# KiCad board data-center-ddr5-tester.kicad_pcb (continued)
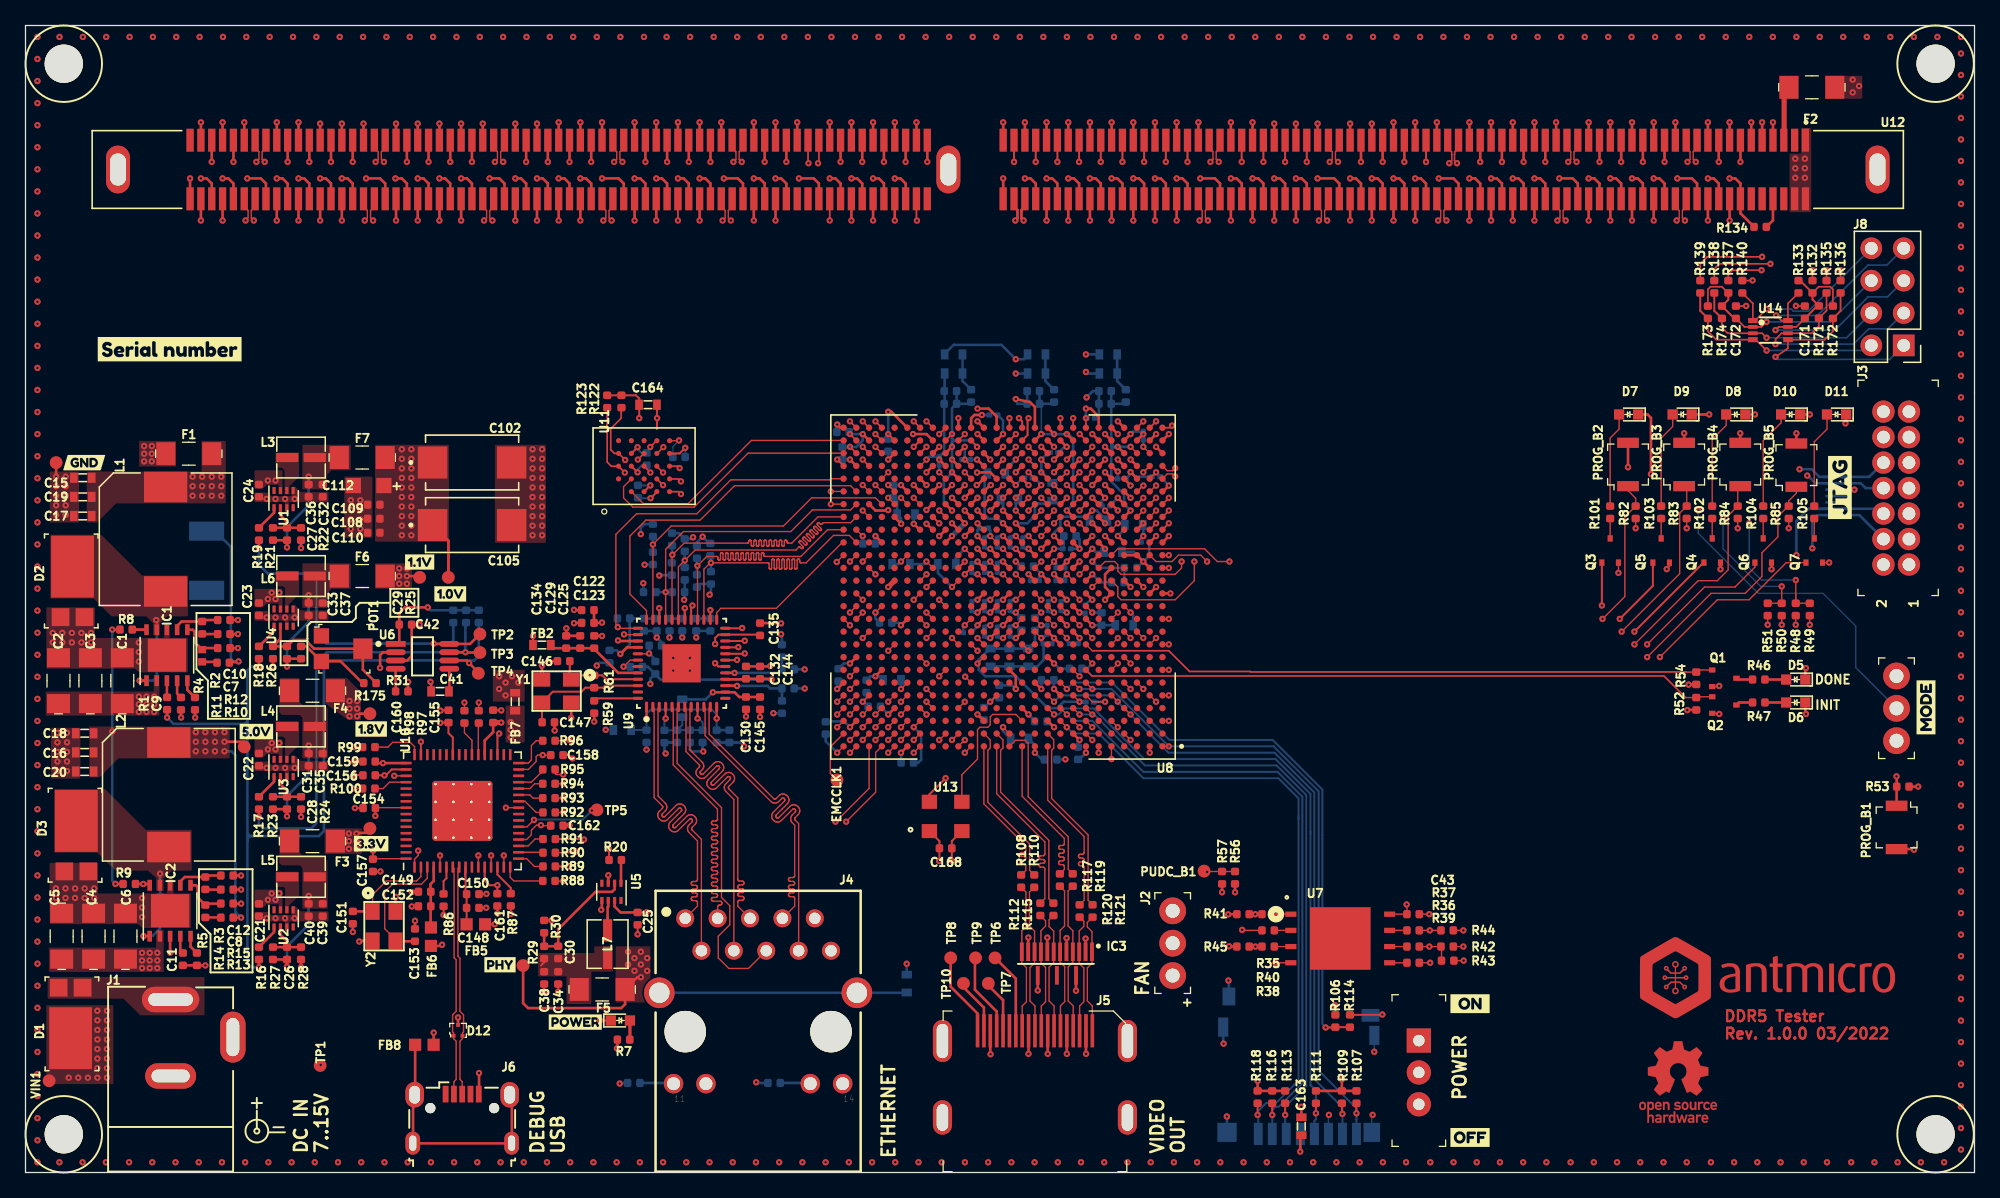
[diagram p0: board, top side]
## Routing (per net, layer and track width the routed paths; a pad name or vN(x,y) marks a point on that pad's centre or on a via; arc(x,y) is an arc through that point) (continued)
CA3_B: length 41.4
  Top w0.2: U12.223 v4(68.15,74.7) ; U8.AF10 v4(80.64,57.94)
  In2.Cu w0.127: v4(68.15,74.7) 68.15,74.35 68.15,74.32 68.14,74.29 68.12,74.27 68.1,74.25 68.08,74.24 68.05,74.23 68.02,74.22 67.88,74.22 67.85,74.22 67.82,74.21 67.8,74.2 67.78,74.18 67.76,74.15 67.75,74.12 67.75,74.1 67.75,74.07 67.76,74.04 67.78,74.02 67.8,74 67.82,73.98 67.85,73.97 67.88,73.97 68.42,73.97 68.45,73.97 68.48,73.96 68.5,73.94 68.52,73.92 68.54,73.9 68.55,73.87 68.55,73.84 68.55,73.81 68.54,73.79 68.52,73.76 68.5,73.74 68.48,73.73 68.45,73.72 68.42,73.72 67.88,73.72 67.85,73.71 67.82,73.7 67.8,73.69 67.78,73.67 67.76,73.64 67.75,73.62 67.75,73.59 67.75,73.56 67.76,73.53 67.78,73.51 67.8,73.49 67.82,73.47 67.85,73.46 67.88,73.46 68.42,73.46 68.45,73.46 68.48,73.45 68.5,73.43 68.52,73.41 68.54,73.39 68.55,73.36 68.55,73.33 68.55,73.31 68.54,73.28 68.52,73.25 68.5,73.23 68.48,73.22 68.45,73.21 68.42,73.21 67.88,73.21 67.85,73.2 67.82,73.19 67.8,73.18 67.78,73.16 67.76,73.14 67.75,73.11 67.75,73.08 67.75,73.05 67.76,73.02 67.78,73 67.8,72.98 67.82,72.97 67.85,72.96 67.88,72.95 68.02,72.95 68.05,72.95 68.08,72.94 68.1,72.93 68.12,72.91 68.14,72.88 68.15,72.85 68.15,72.83 68.15,72.68 68.64,72.19 69.69,72.19 69.72,72.19 69.74,72.18 69.77,72.16 69.79,72.14 69.8,72.12 69.81,72.09 69.82,72.04 69.83,72.01 69.84,71.99 69.86,71.97 69.89,71.95 69.91,71.94 69.94,71.94 69.94,71.94 69.97,71.94 70,71.95 70.02,71.97 70.04,71.99 70.06,72.01 70.07,72.04 70.07,72.06 70.07,72.31 70.07,72.34 70.08,72.37 70.1,72.39 70.12,72.41 70.14,72.43 70.17,72.44 70.19,72.44 70.2,72.44 70.23,72.44 70.25,72.43 70.28,72.41 70.3,72.39 70.31,72.37 70.32,72.34 70.32,72.31 70.32,72.06 70.33,72.04 70.34,72.01 70.35,71.99 70.37,71.97 70.39,71.95 70.42,71.94 70.45,71.94 70.45,71.94 70.48,71.94 70.51,71.95 70.53,71.97 70.55,71.99 70.56,72.01 70.57,72.04 70.58,72.06 70.58,72.31 70.58,72.34 70.59,72.37 70.6,72.39 70.62,72.41 70.65,72.43 70.67,72.44 70.7,72.44 70.71,72.44 70.73,72.44 70.76,72.43 70.78,72.41 70.8,72.39 70.82,72.37 70.83,72.34 70.83,72.31 70.83,72.06 70.83,72.04 70.84,72.01 70.86,71.99 70.88,71.97 70.9,71.95 70.93,71.94 70.96,71.94 70.96,71.94 70.99,71.94 71.01,71.95 71.04,71.97 71.06,71.99 71.07,72.01 71.08,72.04 71.08,72.06 71.08,72.31 71.09,72.34 71.1,72.37 71.11,72.39 71.13,72.41 71.16,72.43 71.18,72.44 71.21,72.44 71.21,72.44 71.24,72.44 71.27,72.43 71.29,72.41 71.31,72.39 71.33,72.37 71.34,72.34 71.34,72.31 71.34,72.06 71.34,72.04 71.35,72.01 71.37,71.99 71.39,71.97 71.41,71.95 71.44,71.94 71.46,71.94 71.47,71.94 71.5,71.94 71.52,71.95 71.55,71.97 71.57,71.99 71.58,72.01 71.59,72.04 71.59,72.06 71.59,72.31 71.6,72.34 71.61,72.37 71.62,72.39 71.64,72.41 71.66,72.43 71.69,72.44 71.72,72.44 71.72,72.44 71.75,72.44 71.78,72.43 71.8,72.41 71.82,72.39 71.83,72.37 71.84,72.34 71.85,72.31 71.85,72.06 71.85,72.04 71.86,72.01 71.87,71.99 71.89,71.97 71.92,71.95 71.94,71.94 71.97,71.94 71.98,71.94 72,71.94 72.03,71.95 72.05,71.97 72.07,71.99 72.09,72.01 72.1,72.04 72.1,72.06 72.1,72.31 72.1,72.34 72.11,72.37 72.13,72.39 72.15,72.41 72.17,72.43 72.2,72.44 72.23,72.44 72.23,72.44 72.26,72.44 72.28,72.43 72.31,72.41 72.33,72.39 72.34,72.37 72.35,72.34 72.35,72.31 72.35,72.06 72.36,72.04 72.37,72.01 72.38,71.99 72.4,71.97 72.43,71.95 72.45,71.94 72.48,71.94 72.48,71.94 72.51,71.94 72.54,71.95 72.56,71.97 72.58,71.99 72.6,72.01 72.61,72.04 72.61,72.06 72.61,72.31 72.61,72.34 72.62,72.37 72.64,72.39 72.66,72.41 72.68,72.43 72.71,72.44 72.73,72.44 72.74,72.44 72.77,72.44 72.79,72.43 72.82,72.41 72.84,72.39 72.85,72.37 72.86,72.34 72.86,72.31 72.86,72.06 72.87,72.04 72.88,72.01 72.89,71.99 72.91,71.97 72.93,71.95 72.96,71.94 72.99,71.94 72.99,71.94 73.02,71.94 73.05,71.95 73.07,71.97 73.09,71.99 73.1,72.01 73.11,72.04 73.12,72.06 73.12,72.31 73.12,72.34 73.13,72.37 73.14,72.39 73.16,72.41 73.19,72.43 73.21,72.44 73.24,72.44 73.25,72.44 73.27,72.44 73.3,72.43 73.32,72.41 73.34,72.39 73.36,72.37 73.37,72.34 73.37,72.31 73.37,72.06 73.37,72.04 73.38,72.01 73.4,71.99 73.42,71.97 73.44,71.95 73.47,71.94 73.5,71.94 73.5,71.94 73.53,71.94 73.55,71.95 73.58,71.97 73.6,71.99 73.61,72.01 73.62,72.04 73.62,72.06 73.62,72.31 73.63,72.34 73.64,72.37 73.65,72.39 73.67,72.41 73.7,72.43 73.72,72.44 73.75,72.44 73.75,72.44 73.78,72.44 73.81,72.43 73.83,72.41 73.85,72.39 73.87,72.37 73.88,72.34 73.88,72.31 73.88,72.06 73.88,72.04 73.89,72.01 73.91,71.99 73.93,71.97 73.95,71.95 73.98,71.94 74,71.94 74.01,71.94 74.04,71.94 74.06,71.95 74.09,71.97 74.11,71.99 74.12,72.01 74.13,72.04 74.13,72.06 74.13,72.31 74.14,72.34 74.15,72.37 74.16,72.39 74.18,72.41 74.2,72.43 74.23,72.44 74.26,72.44 74.26,72.44 74.29,72.44 74.32,72.43 74.34,72.41 74.36,72.39 74.37,72.37 74.38,72.34 74.39,72.31 74.39,72.06 74.39,72.04 74.4,72.01 74.41,71.99 74.43,71.97 74.46,71.95 74.48,71.94 74.51,71.94 74.52,71.94 74.54,71.94 74.57,71.95 74.59,71.97 74.61,71.99 74.63,72.01 74.64,72.04 74.64,72.06 74.64,72.31 74.64,72.34 74.65,72.37 74.67,72.39 74.69,72.41 74.71,72.43 74.74,72.44 74.77,72.44 74.77,72.44 74.8,72.44 74.82,72.43 74.85,72.41 74.87,72.39 74.88,72.37 74.89,72.34 74.9,72.29 74.91,72.26 74.92,72.24 74.94,72.22 74.97,72.2 74.99,72.19 75.02,72.19 75.31,72.19 75.7,71.8 75.72,71.78 75.73,71.75 75.74,71.72 75.74,71.7 75.73,71.67 75.72,71.64 75.7,71.62 75.69,71.61 75.67,71.59 75.66,71.56 75.65,71.53 75.65,71.51 75.66,71.48 75.67,71.45 75.69,71.43 75.71,71.41 75.74,71.4 75.76,71.39 75.79,71.39 75.82,71.4 75.85,71.41 75.87,71.43 76.07,71.63 76.09,71.65 76.12,71.66 76.15,71.67 76.17,71.67 76.2,71.66 76.23,71.65 76.25,71.63 76.27,71.61 76.28,71.58 76.29,71.56 76.29,71.53 76.28,71.5 76.27,71.47 76.25,71.45 76.05,71.25 76.03,71.23 76.02,71.2 76.01,71.17 76.01,71.15 76.02,71.12 76.03,71.09 76.05,71.07 76.07,71.05 76.1,71.04 76.12,71.03 76.15,71.03 76.18,71.04 76.21,71.05 76.23,71.07 76.43,71.27 76.45,71.29 76.48,71.3 76.51,71.31 76.53,71.31 76.56,71.3 76.59,71.29 76.61,71.27 76.63,71.25 76.64,71.22 76.65,71.2 76.65,71.17 76.64,71.14 76.63,71.12 76.61,71.09 76.41,70.89 76.39,70.87 76.38,70.84 76.37,70.82 76.37,70.79 76.38,70.76 76.39,70.73 76.41,70.71 76.43,70.69 76.45,70.68 76.48,70.67 76.51,70.67 76.54,70.68 76.56,70.69 76.59,70.71 76.6,70.72 76.62,70.74 76.65,70.75 76.67,70.76 76.7,70.76 76.73,70.75 76.76,70.74 76.78,70.72 80.64,66.86 v4(80.64,57.94)
CA4_A: length 41.4
  Top w0.13: v1(79.64,51.94) U8.W11
  Top w0.15: U12.70 v1(80.9,79.3)
  In7.Cu w0.13: v1(79.64,51.94) 80.14,51.44 80.89,51.44 81.14,51.69 81.14,56.44 80.9,56.67 80.9,74.8 80.9,74.83 80.91,74.86 80.93,74.88 80.95,74.9 80.97,74.92 81,74.93 81.03,74.93 81.17,74.93 81.2,74.93 81.22,74.94 81.25,74.96 81.27,74.98 81.28,75 81.29,75.03 81.3,75.06 81.29,75.09 81.28,75.12 81.27,75.14 81.25,75.16 81.22,75.18 81.2,75.19 81.17,75.19 80.63,75.19 80.6,75.19 80.58,75.2 80.55,75.22 80.53,75.24 80.52,75.26 80.51,75.29 80.5,75.32 80.51,75.35 80.52,75.38 80.53,75.4 80.55,75.42 80.58,75.44 80.6,75.45 80.63,75.45 81.17,75.45 81.2,75.45 81.22,75.46 81.25,75.48 81.27,75.5 81.28,75.52 81.29,75.55 81.3,75.58 81.29,75.61 81.28,75.64 81.27,75.66 81.25,75.68 81.22,75.7 81.2,75.71 81.17,75.71 80.63,75.71 80.6,75.71 80.58,75.72 80.55,75.74 80.53,75.76 80.52,75.78 80.51,75.81 80.5,75.84 80.51,75.87 80.52,75.9 80.53,75.92 80.55,75.94 80.58,75.96 80.6,75.97 80.63,75.97 81.17,75.97 81.2,75.97 81.22,75.98 81.25,76 81.27,76.02 81.28,76.04 81.29,76.07 81.3,76.1 81.29,76.13 81.28,76.16 81.27,76.18 81.25,76.2 81.22,76.22 81.2,76.23 81.17,76.23 80.63,76.23 80.6,76.23 80.58,76.24 80.55,76.26 80.53,76.28 80.52,76.3 80.51,76.33 80.5,76.36 80.51,76.39 80.52,76.42 80.53,76.44 80.55,76.46 80.58,76.48 80.6,76.49 80.63,76.49 81.17,76.49 81.2,76.49 81.22,76.5 81.25,76.52 81.27,76.54 81.28,76.56 81.29,76.59 81.3,76.62 81.29,76.65 81.28,76.68 81.27,76.7 81.25,76.72 81.22,76.74 81.2,76.75 81.17,76.75 80.63,76.75 80.6,76.75 80.58,76.76 80.55,76.78 80.53,76.8 80.52,76.82 80.51,76.85 80.5,76.88 80.51,76.91 80.52,76.94 80.53,76.96 80.55,76.98 80.58,77 80.6,77.01 80.63,77.01 81.17,77.01 81.2,77.01 81.22,77.02 81.25,77.04 81.27,77.06 81.28,77.08 81.29,77.11 81.3,77.14 81.29,77.17 81.28,77.2 81.27,77.22 81.25,77.24 81.22,77.26 81.2,77.27 81.17,77.27 80.63,77.27 80.6,77.27 80.58,77.28 80.55,77.3 80.53,77.32 80.52,77.34 80.51,77.37 80.5,77.4 80.51,77.43 80.52,77.46 80.53,77.48 80.55,77.5 80.58,77.52 80.6,77.53 80.63,77.53 81.17,77.53 81.2,77.53 81.22,77.54 81.25,77.56 81.27,77.58 81.28,77.6 81.29,77.63 81.3,77.66 81.29,77.69 81.28,77.72 81.27,77.74 81.25,77.76 81.22,77.78 81.2,77.79 81.17,77.79 80.63,77.79 80.6,77.79 80.58,77.8 80.55,77.82 80.53,77.84 80.52,77.86 80.51,77.89 80.5,77.92 80.51,77.95 80.52,77.98 80.53,78 80.55,78.02 80.58,78.04 80.6,78.05 80.63,78.05 81.17,78.05 81.2,78.05 81.22,78.06 81.25,78.08 81.27,78.1 81.28,78.12 81.29,78.15 81.3,78.18 81.29,78.21 81.28,78.24 81.27,78.26 81.25,78.28 81.22,78.3 81.2,78.31 81.17,78.31 80.63,78.31 80.6,78.31 80.58,78.32 80.55,78.34 80.53,78.36 80.52,78.38 80.51,78.41 80.5,78.44 80.51,78.47 80.52,78.5 80.53,78.52 80.55,78.54 80.58,78.56 80.6,78.57 80.63,78.57 80.77,78.57 80.8,78.57 80.83,78.58 80.85,78.6 80.87,78.62 80.89,78.64 80.9,78.67 80.9,78.7 v1(80.9,79.3)
CA4_B: length 41.4
  Top w0.2: U12.80 v4(67.3,79.3) ; U8.AE10 v4(80.64,56.94)
  In2.Cu w0.127: v4(67.3,79.3) 67.3,78.8 67.3,78.77 67.29,78.74 67.27,78.72 67.25,78.7 67.23,78.69 67.2,78.68 67.17,78.67 67.05,78.67 67.03,78.67 67,78.66 66.98,78.65 66.96,78.63 66.94,78.6 66.93,78.57 66.93,78.55 66.93,78.52 66.94,78.49 66.96,78.47 66.98,78.45 67,78.43 67.03,78.42 67.05,78.42 67.55,78.42 67.57,78.42 67.6,78.41 67.62,78.39 67.64,78.37 67.66,78.35 67.67,78.32 67.67,78.29 67.67,78.26 67.66,78.24 67.64,78.21 67.62,78.19 67.6,78.18 67.57,78.17 67.55,78.16 67.05,78.16 67.03,78.16 67,78.15 66.98,78.14 66.96,78.12 66.94,78.09 66.93,78.07 66.93,78.04 66.93,78.01 66.94,77.98 66.96,77.96 66.98,77.94 67,77.92 67.03,77.91 67.05,77.91 67.55,77.91 67.57,77.91 67.6,77.9 67.62,77.88 67.64,77.86 67.66,77.84 67.67,77.81 67.67,77.78 67.67,77.76 67.66,77.73 67.64,77.7 67.62,77.68 67.6,77.67 67.57,77.66 67.55,77.66 67.05,77.66 67.03,77.65 67,77.64 66.98,77.63 66.96,77.61 66.94,77.59 66.93,77.56 66.93,77.53 66.93,77.5 66.94,77.47 66.96,77.45 66.98,77.43 67,77.42 67.03,77.41 67.05,77.4 67.55,77.4 67.57,77.4 67.6,77.39 67.62,77.38 67.64,77.36 67.66,77.33 67.67,77.3 67.67,77.28 67.67,77.25 67.66,77.22 67.64,77.2 67.62,77.18 67.6,77.16 67.57,77.15 67.55,77.15 67.05,77.15 67.03,77.15 67,77.14 66.98,77.12 66.96,77.1 66.94,77.08 66.93,77.05 66.93,77.02 66.93,76.99 66.94,76.97 66.96,76.94 66.98,76.92 67,76.91 67.03,76.9 67.05,76.9 67.55,76.9 67.57,76.89 67.6,76.88 67.62,76.87 67.64,76.85 67.66,76.82 67.67,76.8 67.67,76.77 67.67,76.74 67.66,76.71 67.64,76.69 67.62,76.67 67.6,76.65 67.57,76.64 67.55,76.64 67.05,76.64 67.03,76.64 67,76.63 66.98,76.61 66.96,76.59 66.94,76.57 66.93,76.54 66.93,76.51 66.93,76.49 66.94,76.46 66.96,76.43 66.98,76.41 67,76.4 67.03,76.39 67.05,76.39 67.55,76.39 67.57,76.38 67.6,76.37 67.62,76.36 67.64,76.34 67.66,76.32 67.67,76.29 67.67,76.26 67.67,76.23 67.66,76.2 67.64,76.18 67.62,76.16 67.6,76.15 67.57,76.14 67.55,76.13 67.05,76.13 67.03,76.13 67,76.12 66.98,76.11 66.96,76.09 66.94,76.06 66.93,76.03 66.93,76.01 66.93,75.98 66.94,75.95 66.96,75.93 66.98,75.91 67,75.89 67.03,75.88 67.05,75.88 67.17,75.88 67.2,75.88 67.23,75.87 67.25,75.85 67.27,75.83 67.29,75.81 67.3,75.78 67.3,75.75 67.3,72.28 67.89,71.69 75.06,71.69 80.14,66.61 U8.AE10 v4(80.64,56.94)
CA5_A: length 41.4
  Top w0.15: U8.V11 v1(79.64,50.94)
  Top w0.2: U12.215 v1(80.05,74.7)
  In7.Cu w0.13: v1(80.05,74.7) 80.22,74.53 80.22,74.22 80.22,74.19 80.21,74.16 80.19,74.14 80.17,74.12 80.15,74.1 80.12,74.09 80.09,74.09 79.96,74.09 79.93,74.09 79.9,74.08 79.88,74.06 79.86,74.04 79.84,74.02 79.83,73.99 79.83,73.96 79.83,73.93 79.84,73.9 79.86,73.88 79.88,73.86 79.9,73.84 79.93,73.83 79.96,73.83 80.49,73.83 80.51,73.83 80.54,73.82 80.57,73.8 80.59,73.78 80.6,73.76 80.61,73.73 80.62,73.7 80.61,73.67 80.6,73.64 80.59,73.62 80.57,73.6 80.54,73.58 80.51,73.57 80.49,73.57 79.96,73.57 79.93,73.57 79.9,73.56 79.88,73.54 79.86,73.52 79.84,73.5 79.83,73.47 79.83,73.44 79.83,73.41 79.84,73.38 79.86,73.36 79.88,73.34 79.9,73.32 79.93,73.31 79.96,73.31 80.49,73.31 80.51,73.31 80.54,73.3 80.57,73.28 80.59,73.26 80.6,73.24 80.61,73.21 80.62,73.18 80.61,73.15 80.6,73.12 80.59,73.1 80.57,73.08 80.54,73.06 80.51,73.05 80.49,73.05 79.96,73.05 79.93,73.05 79.9,73.04 79.88,73.02 79.86,73 79.84,72.98 79.83,72.95 79.83,72.92 79.83,72.89 79.84,72.86 79.86,72.84 79.88,72.82 79.9,72.8 79.93,72.79 79.96,72.79 80.49,72.79 80.51,72.79 80.54,72.78 80.57,72.76 80.59,72.74 80.6,72.72 80.61,72.69 80.62,72.66 80.61,72.63 80.6,72.6 80.59,72.58 80.57,72.56 80.54,72.54 80.51,72.53 80.49,72.53 79.96,72.53 79.93,72.53 79.9,72.52 79.88,72.5 79.86,72.48 79.84,72.46 79.83,72.43 79.83,72.4 79.83,72.37 79.84,72.34 79.86,72.32 79.88,72.3 79.9,72.28 79.93,72.27 79.96,72.27 80.49,72.27 80.51,72.27 80.54,72.26 80.57,72.24 80.59,72.22 80.6,72.2 80.61,72.17 80.62,72.14 80.61,72.11 80.6,72.08 80.59,72.06 80.57,72.04 80.54,72.02 80.51,72.01 80.49,72.01 79.96,72.01 79.93,72.01 79.9,72 79.88,71.98 79.86,71.96 79.84,71.94 79.83,71.91 79.83,71.88 79.83,71.85 79.84,71.82 79.86,71.8 79.88,71.78 79.9,71.76 79.93,71.75 79.96,71.75 80.49,71.75 80.51,71.75 80.54,71.74 80.57,71.72 80.59,71.7 80.6,71.68 80.61,71.65 80.62,71.62 80.61,71.59 80.6,71.56 80.59,71.54 80.57,71.52 80.54,71.5 80.51,71.49 80.49,71.49 79.96,71.49 79.93,71.49 79.9,71.48 79.88,71.46 79.86,71.44 79.84,71.42 79.83,71.39 79.83,71.36 79.83,71.33 79.84,71.3 79.86,71.28 79.88,71.26 79.9,71.24 79.93,71.23 79.96,71.23 80.49,71.23 80.51,71.23 80.54,71.22 80.57,71.2 80.59,71.18 80.6,71.16 80.61,71.13 80.62,71.1 80.61,71.07 80.6,71.04 80.59,71.02 80.57,71 80.54,70.98 80.51,70.97 80.49,70.97 79.96,70.97 79.93,70.97 79.9,70.96 79.88,70.94 79.86,70.92 79.84,70.9 79.83,70.87 79.83,70.84 79.83,70.81 79.84,70.78 79.86,70.76 79.88,70.74 79.9,70.72 79.93,70.71 79.96,70.71 80.49,70.71 80.51,70.71 80.54,70.7 80.57,70.68 80.59,70.66 80.6,70.64 80.61,70.61 80.62,70.58 80.61,70.55 80.6,70.52 80.59,70.5 80.57,70.48 80.54,70.46 80.51,70.45 80.49,70.45 79.96,70.45 79.93,70.45 79.9,70.44 79.88,70.42 79.86,70.4 79.84,70.38 79.83,70.35 79.83,70.32 79.83,70.29 79.84,70.26 79.86,70.24 79.88,70.22 79.9,70.2 79.93,70.19 79.96,70.19 80.49,70.19 80.51,70.19 80.54,70.18 80.57,70.16 80.59,70.14 80.6,70.12 80.61,70.09 80.62,70.06 80.61,70.03 80.6,70 80.59,69.98 80.57,69.96 80.54,69.94 80.51,69.93 80.49,69.93 79.96,69.93 79.93,69.93 79.9,69.92 79.88,69.9 79.86,69.88 79.84,69.86 79.83,69.83 79.83,69.8 79.83,69.77 79.84,69.74 79.86,69.72 79.88,69.7 79.9,69.68 79.93,69.67 79.96,69.67 80.49,69.67 80.51,69.67 80.54,69.66 80.57,69.64 80.59,69.62 80.6,69.6 80.61,69.57 80.62,69.54 80.61,69.51 80.6,69.48 80.59,69.46 80.57,69.44 80.54,69.42 80.51,69.41 80.49,69.41 79.96,69.41 79.93,69.41 79.9,69.4 79.88,69.38 79.86,69.36 79.84,69.34 79.83,69.31 79.83,69.28 79.83,69.25 79.84,69.22 79.86,69.2 79.88,69.18 79.9,69.16 79.93,69.15 79.96,69.15 80.49,69.15 80.51,69.15 80.54,69.14 80.57,69.12 80.59,69.1 80.6,69.08 80.61,69.05 80.62,69.02 80.61,68.99 80.6,68.96 80.59,68.94 80.57,68.92 80.54,68.9 80.51,68.89 80.49,68.89 79.96,68.89 79.93,68.89 79.9,68.88 79.88,68.86 79.86,68.84 79.84,68.82 79.83,68.79 79.83,68.76 79.83,68.73 79.84,68.7 79.86,68.68 79.88,68.66 79.9,68.64 79.93,68.63 79.96,68.63 80.09,68.63 80.12,68.63 80.15,68.62 80.17,68.6 80.19,68.58 80.21,68.56 80.22,68.53 80.22,68.5 80.22,52.6 80.06,52.44 79.39,52.44 79.15,52.21 79.15,51.42 v1(79.64,50.94)
CA5_B: length 41.4
  Top w0.2: U12.225 v4(66.45,74.7) ; U8.AD10 v4(79.64,56.94)
  In2.Cu w0.127: v4(66.45,74.7) 66.45,74.35 66.45,74.32 66.44,74.29 66.42,74.27 66.4,74.25 66.38,74.24 66.35,74.23 66.32,74.22 66.18,74.22 66.15,74.22 66.12,74.21 66.1,74.2 66.08,74.18 66.06,74.15 66.05,74.12 66.05,74.1 66.05,74.07 66.06,74.04 66.08,74.02 66.1,74 66.12,73.98 66.15,73.97 66.18,73.97 66.72,73.97 66.75,73.97 66.78,73.96 66.8,73.94 66.82,73.92 66.84,73.9 66.85,73.87 66.85,73.84 66.85,73.81 66.84,73.79 66.82,73.76 66.8,73.74 66.78,73.73 66.75,73.72 66.72,73.72 66.18,73.72 66.15,73.71 66.12,73.7 66.1,73.69 66.08,73.67 66.06,73.64 66.05,73.62 66.05,73.59 66.05,73.56 66.06,73.53 66.08,73.51 66.1,73.49 66.12,73.47 66.15,73.46 66.18,73.46 66.72,73.46 66.75,73.46 66.78,73.45 66.8,73.43 66.82,73.41 66.84,73.39 66.85,73.36 66.85,73.33 66.85,73.31 66.84,73.28 66.82,73.25 66.8,73.23 66.78,73.22 66.75,73.21 66.72,73.21 66.18,73.21 66.15,73.2 66.12,73.19 66.1,73.18 66.08,73.16 66.06,73.14 66.05,73.11 66.05,73.08 66.05,73.05 66.06,73.02 66.08,73 66.1,72.98 66.12,72.97 66.15,72.96 66.18,72.95 66.72,72.95 66.75,72.95 66.78,72.94 66.8,72.93 66.82,72.91 66.84,72.88 66.85,72.85 66.85,72.83 66.85,72.8 66.84,72.77 66.82,72.75 66.8,72.73 66.78,72.71 66.75,72.7 66.72,72.7 66.18,72.7 66.15,72.7 66.12,72.69 66.1,72.67 66.08,72.65 66.06,72.63 66.05,72.6 66.05,72.57 66.05,72.54 66.06,72.52 66.08,72.49 66.1,72.47 66.12,72.46 66.15,72.45 66.18,72.44 66.72,72.44 66.75,72.44 66.78,72.43 66.8,72.42 66.82,72.4 66.84,72.37 66.85,72.35 66.85,72.32 66.85,72.29 66.84,72.26 66.82,72.24 66.8,72.22 66.78,72.2 66.75,72.19 66.72,72.19 66.18,72.19 66.15,72.19 66.12,72.18 66.1,72.16 66.08,72.14 66.06,72.12 66.05,72.09 66.05,72.06 66.05,72.04 66.06,72.01 66.08,71.98 66.1,71.96 66.12,71.95 66.15,71.94 66.18,71.94 66.32,71.94 66.35,71.93 66.38,71.92 66.4,71.91 66.42,71.89 66.44,71.87 66.45,71.84 66.45,71.81 66.45,71.63 66.89,71.19 67.59,71.19 67.62,71.19 67.64,71.18 67.67,71.16 67.69,71.14 67.7,71.12 67.71,71.09 67.72,71.04 67.73,71.01 67.74,70.99 67.76,70.97 67.79,70.95 67.81,70.94 67.84,70.94 67.84,70.94 67.87,70.94 67.9,70.95 67.92,70.97 67.94,70.99 67.96,71.01 67.97,71.04 67.97,71.06 67.97,71.31 67.97,71.34 67.98,71.37 68,71.39 68.02,71.41 68.04,71.43 68.07,71.44 68.09,71.44 68.1,71.44 68.13,71.44 68.15,71.43 68.18,71.41 68.2,71.39 68.21,71.37 68.22,71.34 68.22,71.31 68.22,71.06 68.23,71.04 68.24,71.01 68.25,70.99 68.27,70.97 68.29,70.95 68.32,70.94 68.35,70.94 68.35,70.94 68.38,70.94 68.41,70.95 68.43,70.97 68.45,70.99 68.46,71.01 68.47,71.04 68.48,71.06 68.48,71.31 68.48,71.34 68.49,71.37 68.5,71.39 68.52,71.41 68.55,71.43 68.57,71.44 68.6,71.44 68.61,71.44 68.63,71.44 68.66,71.43 68.68,71.41 68.7,71.39 68.72,71.37 68.73,71.34 68.73,71.31 68.73,71.06 68.73,71.04 68.74,71.01 68.76,70.99 68.78,70.97 68.8,70.95 68.83,70.94 68.86,70.94 68.86,70.94 68.89,70.94 68.91,70.95 68.94,70.97 68.96,70.99 68.97,71.01 68.98,71.04 68.98,71.06 68.98,71.31 68.99,71.34 69,71.37 69.01,71.39 69.03,71.41 69.06,71.43 69.08,71.44 69.11,71.44 69.11,71.44 69.14,71.44 69.17,71.43 69.19,71.41 69.21,71.39 69.23,71.37 69.24,71.34 69.24,71.31 69.24,71.06 69.24,71.04 69.25,71.01 69.27,70.99 69.29,70.97 69.31,70.95 69.34,70.94 69.36,70.94 69.37,70.94 69.4,70.94 69.42,70.95 69.45,70.97 69.47,70.99 69.48,71.01 69.49,71.04 69.49,71.06 69.49,71.31 69.5,71.34 69.51,71.37 69.52,71.39 69.54,71.41 69.56,71.43 69.59,71.44 69.62,71.44 69.62,71.44 69.65,71.44 69.68,71.43 69.7,71.41 69.72,71.39 69.73,71.37 69.74,71.34 69.75,71.31 69.75,71.06 69.75,71.04 69.76,71.01 69.77,70.99 69.79,70.97 69.82,70.95 69.84,70.94 69.87,70.94 69.88,70.94 69.9,70.94 69.93,70.95 69.95,70.97 69.97,70.99 69.99,71.01 70,71.04 70,71.06 70,71.31 70,71.34 70.01,71.37 70.03,71.39 70.05,71.41 70.07,71.43 70.1,71.44 70.13,71.44 70.13,71.44 70.16,71.44 70.18,71.43 70.21,71.41 70.23,71.39 70.24,71.37 70.25,71.34 70.25,71.31 70.25,71.06 70.26,71.04 70.27,71.01 70.28,70.99 70.3,70.97 70.33,70.95 70.35,70.94 70.38,70.94 70.38,70.94 70.41,70.94 70.44,70.95 70.46,70.97 70.48,70.99 70.5,71.01 70.51,71.04 70.51,71.06 70.51,71.31 70.51,71.34 70.52,71.37 70.54,71.39 70.56,71.41 70.58,71.43 70.61,71.44 70.63,71.44 70.64,71.44 70.67,71.44 70.69,71.43 70.72,71.41 70.74,71.39 70.75,71.37 70.76,71.34 70.77,71.29 70.78,71.26 70.79,71.24 70.81,71.22 70.83,71.2 70.86,71.19 70.89,71.19 74.81,71.19 79.64,66.36 79.64,58.69 79.14,58.19 79.14,57.44 v4(79.64,56.94)
CA6_A: length 41.4
  Top w0.13: U8.Y10 v1(79.64,52.94)
  Top w0.15: U12.72 v1(79.2,79.3)
  In7.Cu w0.11: v1(79.2,79.3) 79.2,78.7 79.2,78.68 79.19,78.65 79.18,78.63 79.16,78.61 79.14,78.6 79.11,78.59 79.09,78.59 78.91,78.59 78.89,78.59 78.87,78.58 78.85,78.57 78.83,78.55 78.82,78.53 78.81,78.5 78.8,78.48 78.81,78.46 78.82,78.43 78.83,78.41 78.85,78.39 78.87,78.38 78.89,78.37 78.91,78.37 79.49,78.37 79.51,78.37 79.53,78.36 79.55,78.35 79.57,78.33 79.58,78.31 79.59,78.28 79.6,78.26 79.59,78.24 79.58,78.21 79.57,78.19 79.55,78.17 79.53,78.16 79.51,78.15 79.49,78.15 78.91,78.15 78.89,78.15 78.87,78.14 78.85,78.13 78.83,78.11 78.82,78.09 78.81,78.06 78.8,78.04 78.81,78.02 78.82,77.99 78.83,77.97 78.85,77.95 78.87,77.94 78.89,77.93 78.91,77.93 79.49,77.93 79.51,77.93 79.53,77.92 79.55,77.91 79.57,77.89 79.58,77.87 79.59,77.84 79.6,77.82 79.59,77.8 79.58,77.77 79.57,77.75 79.55,77.73 79.53,77.72 79.51,77.71 79.49,77.71 78.91,77.71 78.89,77.71 78.87,77.7 78.85,77.69 78.83,77.67 78.82,77.65 78.81,77.62 78.8,77.6 78.81,77.58 78.82,77.55 78.83,77.53 78.85,77.51 78.87,77.5 78.89,77.49 78.91,77.49 79.49,77.49 79.51,77.49 79.53,77.48 79.55,77.47 79.57,77.45 79.58,77.43 79.59,77.4 79.6,77.38 79.59,77.36 79.58,77.33 79.57,77.31 79.55,77.29 79.53,77.28 79.51,77.27 79.49,77.27 78.91,77.27 78.89,77.27 78.87,77.26 78.85,77.25 78.83,77.23 78.82,77.21 78.81,77.18 78.8,77.16 78.81,77.14 78.82,77.11 78.83,77.09 78.85,77.07 78.87,77.06 78.89,77.05 78.91,77.05 79.49,77.05 79.51,77.05 79.53,77.04 79.55,77.03 79.57,77.01 79.58,76.99 79.59,76.96 79.6,76.94 79.59,76.92 79.58,76.89 79.57,76.87 79.55,76.85 79.53,76.84 79.51,76.83 79.49,76.83 78.91,76.83 78.89,76.83 78.87,76.82 78.85,76.81 78.83,76.79 78.82,76.77 78.81,76.74 78.8,76.72 78.81,76.7 78.82,76.67 78.83,76.65 78.85,76.63 78.87,76.62 78.89,76.61 78.91,76.61 79.49,76.61 79.51,76.61 79.53,76.6 79.55,76.59 79.57,76.57 79.58,76.55 79.59,76.52 79.6,76.5 79.59,76.48 79.58,76.45 79.57,76.43 79.55,76.41 79.53,76.4 79.51,76.39 79.49,76.39 78.91,76.39 78.89,76.39 78.87,76.38 78.85,76.37 78.83,76.35 78.82,76.33 78.81,76.3 78.8,76.28 78.81,76.26 78.82,76.23 78.83,76.21 78.85,76.19 78.87,76.18 78.89,76.17 78.91,76.17 79.49,76.17 79.51,76.17 79.53,76.16 79.55,76.15 79.57,76.13 79.58,76.11 79.59,76.08 79.6,76.06 79.59,76.04 79.58,76.01 79.57,75.99 79.55,75.97 79.53,75.96 79.51,75.95 79.49,75.95 78.91,75.95 78.89,75.95 78.87,75.94 78.85,75.93 78.83,75.91 78.82,75.89 78.81,75.86 78.8,75.84 78.81,75.82 78.82,75.79 78.83,75.77 78.85,75.75 78.87,75.74 78.89,75.73 78.91,75.73 79.49,75.73 79.51,75.73 79.53,75.72 79.55,75.71 79.57,75.69 79.58,75.67 79.59,75.64 79.6,75.62 79.59,75.6 79.58,75.57 79.57,75.55 79.55,75.53 79.53,75.52 79.51,75.51 79.49,75.51 78.91,75.51 78.89,75.51 78.87,75.5 78.85,75.49 78.83,75.47 78.82,75.45 78.81,75.42 78.8,75.4 78.81,75.38 78.82,75.35 78.83,75.33 78.85,75.31 78.87,75.3 78.89,75.29 78.91,75.29 79.49,75.29 79.51,75.29 79.53,75.28 79.55,75.27 79.57,75.25 79.58,75.23 79.59,75.2 79.6,75.18 79.59,75.16 79.58,75.13 79.57,75.11 79.55,75.09 79.53,75.08 79.51,75.07 79.49,75.07 78.91,75.07 78.89,75.07 78.87,75.06 78.85,75.05 78.83,75.03 78.82,75.01 78.81,74.98 78.8,74.96 78.81,74.94 78.82,74.91 78.83,74.89 78.85,74.87 78.87,74.86 78.89,74.85 78.91,74.85 79.49,74.85 79.51,74.85 79.53,74.84 79.55,74.83 79.57,74.81 79.58,74.79 79.59,74.76 79.6,74.74 79.59,74.72 79.58,74.69 79.57,74.67 79.55,74.65 79.53,74.64 79.51,74.63 79.49,74.63 79.31,74.63 79.29,74.63 79.26,74.62 79.24,74.61 79.22,74.59 79.21,74.57 79.2,74.54 79.2,74.52 79.2,53.38 v1(79.64,52.94)
CA6_B: length 41.4
  Top w0.13: v4(77.64,57.94) U8.AE13
  Top w0.2: U12.82 v4(65.6,79.3)
  In2.Cu w0.127: v4(65.6,79.3) 65.6,78.8 65.6,78.77 65.59,78.74 65.57,78.72 65.55,78.7 65.53,78.69 65.5,78.68 65.47,78.67 65.39,78.67 65.36,78.67 65.33,78.66 65.31,78.65 65.29,78.63 65.27,78.6 65.26,78.57 65.26,78.55 65.26,78.52 65.27,78.49 65.29,78.47 65.31,78.45 65.33,78.43 65.36,78.42 65.39,78.42 65.81,78.42 65.84,78.42 65.87,78.41 65.89,78.39 65.91,78.37 65.93,78.35 65.94,78.32 65.94,78.29 65.94,78.26 65.93,78.24 65.91,78.21 65.89,78.19 65.87,78.18 65.84,78.17 65.81,78.16 65.39,78.16 65.36,78.16 65.33,78.15 65.31,78.14 65.29,78.12 65.27,78.09 65.26,78.07 65.26,78.04 65.26,78.01 65.27,77.98 65.29,77.96 65.31,77.94 65.33,77.92 65.36,77.91 65.39,77.91 65.81,77.91 65.84,77.91 65.87,77.9 65.89,77.88 65.91,77.86 65.93,77.84 65.94,77.81 65.94,77.78 65.94,77.76 65.93,77.73 65.91,77.7 65.89,77.68 65.87,77.67 65.84,77.66 65.81,77.66 65.39,77.66 65.36,77.65 65.33,77.64 65.31,77.63 65.29,77.61 65.27,77.59 65.26,77.56 65.26,77.53 65.26,77.5 65.27,77.47 65.29,77.45 65.31,77.43 65.33,77.42 65.36,77.41 65.39,77.4 65.81,77.4 65.84,77.4 65.87,77.39 65.89,77.38 65.91,77.36 65.93,77.33 65.94,77.3 65.94,77.28 65.94,77.25 65.93,77.22 65.91,77.2 65.89,77.18 65.87,77.16 65.84,77.15 65.81,77.15 65.39,77.15 65.36,77.15 65.33,77.14 65.31,77.12 65.29,77.1 65.27,77.08 65.26,77.05 65.26,77.02 65.26,76.99 65.27,76.97 65.29,76.94 65.31,76.92 65.33,76.91 65.36,76.9 65.39,76.9 65.81,76.9 65.84,76.89 65.87,76.88 65.89,76.87 65.91,76.85 65.93,76.82 65.94,76.8 65.94,76.77 65.94,76.74 65.93,76.71 65.91,76.69 65.89,76.67 65.87,76.65 65.84,76.64 65.81,76.64 65.39,76.64 65.36,76.64 65.33,76.63 65.31,76.61 65.29,76.59 65.27,76.57 65.26,76.54 65.26,76.51 65.26,76.49 65.27,76.46 65.29,76.43 65.31,76.41 65.33,76.4 65.36,76.39 65.39,76.39 65.81,76.39 65.84,76.38 65.87,76.37 65.89,76.36 65.91,76.34 65.93,76.32 65.94,76.29 65.94,76.26 65.94,76.23 65.93,76.2 65.91,76.18 65.89,76.16 65.87,76.15 65.84,76.14 65.81,76.13 65.39,76.13 65.36,76.13 65.33,76.12 65.31,76.11 65.29,76.09 65.27,76.06 65.26,76.03 65.26,76.01 65.26,75.98 65.27,75.95 65.29,75.93 65.31,75.91 65.33,75.89 65.36,75.88 65.39,75.88 65.47,75.88 65.5,75.88 65.53,75.87 65.55,75.85 65.57,75.83 65.59,75.81 65.6,75.78 65.6,75.75 65.6,71.48 66.39,70.69 74.56,70.69 79.14,66.11 79.14,58.69 78.89,58.44 78.14,58.44 v4(77.64,57.94)